# Altium PCB Waffling60-MX.PcbDoc (part 1 of 3)
Units mm, origin at the board's own origin, x right, y up, seen from the top; angles counter-clockwise.
Board outline 324.66 x 94.3 mm, 2 copper layers (Component Side, Bottom Layer), stack 1.571 mm thick; 187 components, 122 nets, 934 pads, 124 vias.
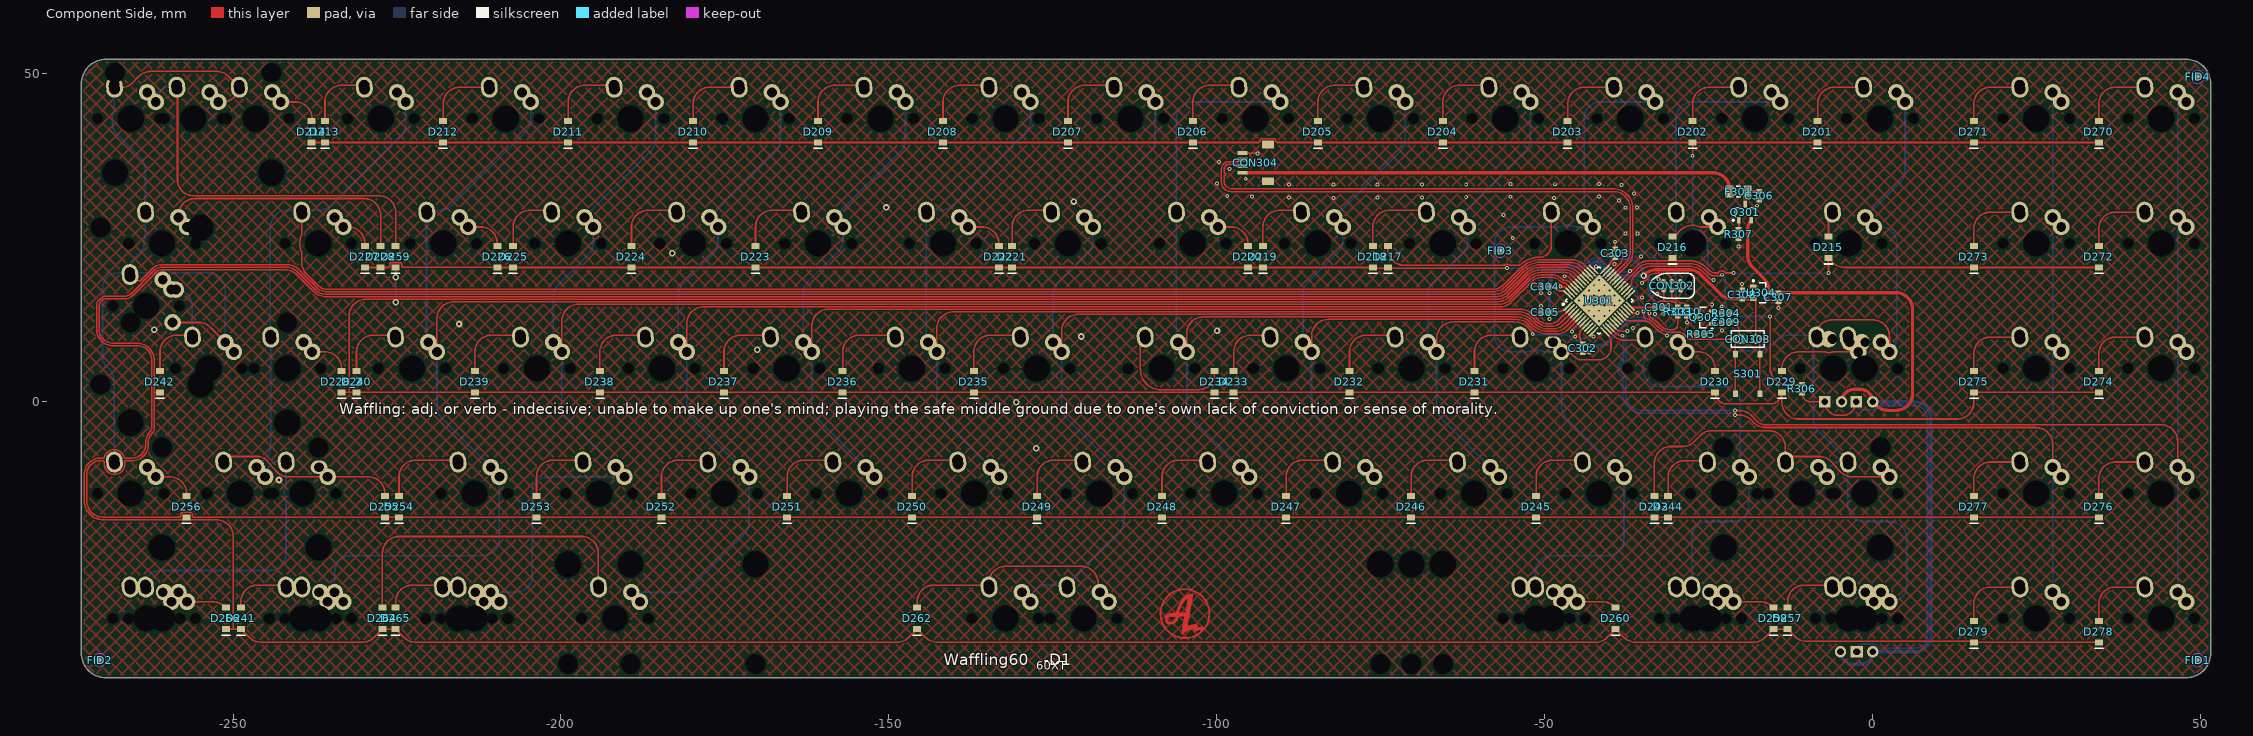
[diagram p0: Component Side view]
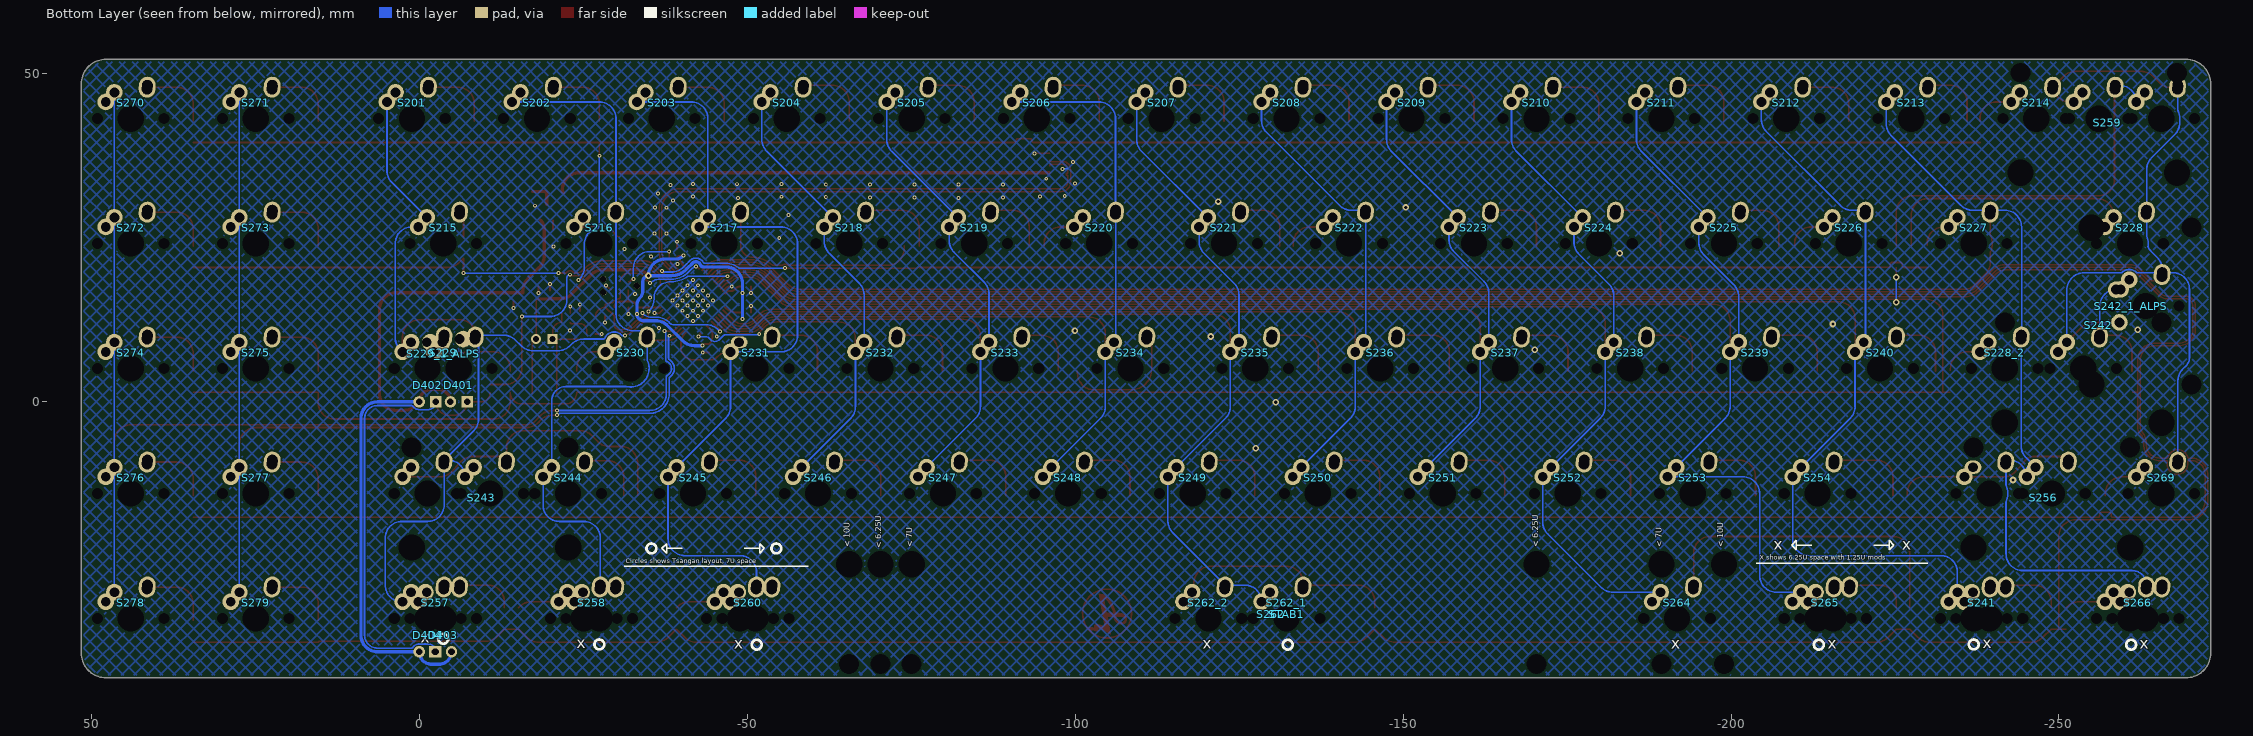
[diagram p1: Bottom Layer view, seen from below]

## Layer stack, top to bottom
Top Solder: solder mask 0.0102, Solder Resist, Dk 3.5
Component Side: signal copper 0.0356
Dielectric 1: core 1.5, FR-4, Dk 4.2
Bottom Layer: signal copper 0.0356
Solder Side: solder mask 0.0102, Solder Resist, Dk 3.5

## Board outline
-273.139,-38.32 ccw(c-269.389,-38.32) -269.389,-42.07 47.774,-42.07 ccw(c47.774,-38.32) 51.524,-38.32 51.524,48.48 ccw(c47.774,48.48) 47.774,52.23 -269.389,52.23 ccw(c-269.389,48.48) -273.139,48.48

## Design rules (kind name [scope] priority, off if disabled: settings)
BoardOutlineClearance [All] p1: gap=0.254 ignorepadtopadclearanceinfootprint=FALSE except(0: Arc-SplitContinuation Track-SplitContinuation SMDPad-SplitContinuation THPad-SplitContinuation Via-SplitContinuation Fill-SplitContinuation Poly-SplitContinuation Region-SplitContinuation Text-SplitContinuation)
Clearance [All] p1: gap=0.254 ignorepadtopadclearanceinfootprint=FALSE except(0: Arc-Hole Track-Hole SMDPad-Hole THPad-Hole Via-Hole Fill-Hole Poly-Hole Region-Hole Text-Hole; 0.18: Arc-Arc Arc-Track Arc-SMDPad Arc-THPad Arc-Via Arc-Fill Arc-Poly Arc-Region Arc-Text Track-Track Track-SMDPad Track-THPad Track-Via Track-Fill Track-Poly Track-Region Track-Text; 0.2: SMDPad-SMDPad SMDPad-THPad SMDPad-Via SMDPad-Fill SMDPad-Poly SMDPad-Region SMDPad-Text)
ComponentClearance [InComponent('No Component') And OnLayer('Component Side')] p1: gap=0.254 collisioncheckmode=3 verticalgap=0.254 showdistances=FALSE
DiffPairsRouting DiffPairsRouting_USB [InDifferentialPairClass('All Differential Pairs')] p1: maxlimit=0.254 minlimit=0.203 mostfreqgap=0.203 toplayer_minwidth=0.152 toplayer_maxwidth=0.381 toplayer_prefwidth=0.152 bottomlayer_minwidth=0.152 bottomlayer_maxwidth=0.381 bottomlayer_prefwidth=0.152 maxuncoupledlength=12.7
DiffPairsRouting [All] p2: maxlimit=0.254 minlimit=0.254 mostfreqgap=0.254 toplayer_minwidth=0.381 toplayer_maxwidth=0.381 toplayer_prefwidth=0.381 bottomlayer_minwidth=0.381 bottomlayer_maxwidth=0.381 bottomlayer_prefwidth=0.381 maxuncoupledlength=12.7
HoleSize [All] p1: absolutevalues=TRUE maxlimit=20 minlimit=0.025 maxpercent=80.000 minpercent=20.000
MatchedLengths MatchedLengths_USB_DiffPairs_1 [All] p1: tolerance=0.127 checknetsindiffpair=TRUE checkdiffpairvsdiffpair=FALSE checkxsignals=FALSE checkothers=FALSE
MatchedLengths MatchedLengths_USB_DiffPairs [All] p2: tolerance=0.127 checknetsindiffpair=TRUE checkdiffpairvsdiffpair=FALSE checkxsignals=FALSE checkothers=FALSE
PolygonConnect PolygonConnect_1 [All vs IsVia] p1: connectstyle=Direct reliefconductorwidth=0.254 reliefentries=4 polygonreliefangle="90 Angle" airgapwidth=0.254
PolygonConnect [All] p2: connectstyle=Relief reliefconductorwidth=0.254 reliefentries=4 polygonreliefangle="90 Angle" airgapwidth=0.254
RoutingVias [All] p1: holewidth=0.711 width=1.27 viastyle="Through Hole" minholewidth=0.711 minwidth=1.27 maxholewidth=0.711 maxwidth=1.27
SolderMaskExpansion [All] p1: expansion=0.102 istentingtop=FALSE
Width [All] p1: maxlimit=0.508 minlimit=0.203 preferedwidth=0.254 minimp=50.000000 maximp=50.000000 favimp=50.000000
27 further rules are at their usual default settings.

## Classes and differential pairs
component class Designator: C301 C302 C303 C304 C305 C306 C307 C308 C309 C310 CON302 CON303 CON304 D401 D402 D403 D404 F301 Q301 Q302 R303 R304 R305 R306 R307 S301 U301 U304
component class 1_waffling60-MX_top: FID1 FID2 FID3 FID4
differential pair D: +D_P -D_N

## Components (designator, comment, footprint, x,y, rotation, side; value= is the part's Value field where it differs from the comment)
C301 "" C0603[1608] -32.538,14.407 r180 top value=0.1uF
C302 "" C0603[1608] -44.222,8.184 r90 top value=0.1uF
C303 "" C0603[1608] -39.269,22.662 r270 top value=0.1uF
C304 "" C0603[1608] -49.937,17.582 r0 top value=0.1uF
C305 "" C0603[1608] -49.937,13.645 r0 top value=0.1uF
C306 "" C0603[1608] -17.298,31.425 r90 top value=4.7uF
C307 "" C0603[1608] -14.377,15.931 r90 top value=1uF
C308 "" C0603[1608] -19.908,16.354 r270 top value=1uF
C309 "" C0603[1608] -22.378,12.121 r180 top value=4.7uF
C310 "" C0603[1608] -28.347,13.772 r270 top value=470nF
CON302 "TC2030-IDC" TC2030-IDC-NL -30.633,17.709 r0 top
CON303 "Header 2" HDR1X2 -20.346,9.581 r0 top
CON304 "Header 5" "JST SM04B-SRSS-TB" -92.222,36.425 r90 top
D201 "Diode" SOD-123 -8.408,41.18 r90 top
D202 "Diode" SOD-123 -27.458,41.18 r90 top
D203 "Diode" SOD-123 -46.508,41.18 r90 top
D204 "Diode" SOD-123 -65.558,41.18 r90 top
D205 "Diode" SOD-123 -84.608,41.18 r90 top
D206 "Diode" SOD-123 -103.658,41.18 r90 top
D207 "Diode" SOD-123 -122.708,41.18 r90 top
D208 "Diode" SOD-123 -141.758,41.18 r90 top
D209 "Diode" SOD-123 -160.808,41.18 r90 top
D210 "Diode" SOD-123 -179.858,41.18 r90 top
D211 "Diode" SOD-123 -198.908,41.18 r90 top
D212 "Diode" SOD-123 -217.958,41.18 r90 top
D213 "Diode" SOD-123 -235.992,41.18 r90 top
D214 "Diode" SOD-123 -238.024,41.18 r90 top
D215 "Diode" SOD-123 -6.757,23.551 r90 top
D216 "Diode" SOD-123 -30.506,23.551 r90 top
D217 "Diode" SOD-123 -73.94,22.13 r90 top
D218 "Diode" SOD-123 -76.226,22.13 r90 top
D219 "Diode" SOD-123 -92.99,22.13 r90 top
D220 "Diode" SOD-123 -95.276,22.13 r90 top
D221 "Diode" SOD-123 -131.217,22.13 r90 top
D222 "Diode" SOD-123 -133.249,22.13 r90 top
D223 "Diode" SOD-123 -170.333,22.13 r90 top
D224 "Diode" SOD-123 -189.256,22.13 r90 top
D225 "Diode" SOD-123 -207.29,22.13 r90 top
D226 "Diode" SOD-123 -209.703,22.13 r90 top
D227 "Diode" SOD-123 -229.896,22.13 r90 top
D228 "Diode" SOD-123 -227.483,22.13 r90 top
D228_2 "Diode" SOD-123 -233.452,3.08 r90 top
D229 "Diode" SOD-123 -13.869,3.08 r90 top
D230 "Diode" SOD-123 -24.029,3.08 r90 top
D231 "Diode" SOD-123 -60.732,3.08 r90 top
D232 "Diode" SOD-123 -79.782,3.08 r90 top
D233 "Diode" SOD-123 -97.435,3.08 r90 top
D234 "Diode" SOD-123 -100.356,3.08 r90 top
D235 "Diode" SOD-123 -137.059,3.08 r90 top
D236 "Diode" SOD-123 -157.059,3.08 r90 top
D237 "Diode" SOD-123 -175.159,3.08 r90 top
D238 "Diode" SOD-123 -194.082,3.08 r90 top
D239 "Diode" SOD-123 -213.132,3.08 r90 top
D240 "Diode" SOD-123 -231.166,3.08 r90 top
D241 "Diode" SOD-123 -248.819,-33.02 r90 top
D242 "Diode" SOD-123 -261.138,3.08 r90 top
D243 "Diode" SOD-123 -33.3,-15.97 r90 top
D244 "Diode" SOD-123 -31.207,-15.97 r90 top
D245 "Diode" SOD-123 -51.334,-15.97 r90 top
D246 "Diode" SOD-123 -70.384,-15.97 r90 top
D247 "Diode" SOD-123 -89.434,-15.97 r90 top
D248 "Diode" SOD-123 -108.357,-15.97 r90 top
D249 "Diode" SOD-123 -127.407,-15.97 r90 top
D250 "Diode" SOD-123 -146.457,-15.97 r90 top
D251 "Diode" SOD-123 -165.507,-15.97 r90 top
D252 "Diode" SOD-123 -184.684,-15.97 r90 top
D253 "Diode" SOD-123 -203.734,-15.97 r90 top
D254 "Diode" SOD-123 -224.689,-15.97 r90 top
D255 "Diode" SOD-123 -226.848,-15.97 r90 top
D256 "Diode" SOD-123 -257.074,-15.97 r90 top
D257 "Diode" SOD-123 -12.98,-33.02 r90 top
D258 "Diode" SOD-123 -15.139,-33.02 r90 top
D259 "Diode" SOD-123 -225.197,22.13 r90 top
D260 "Diode" SOD-123 -39.221,-33.02 r90 top
D262 "Diode" SOD-123 -145.695,-33.02 r90 top
D264 "Diode" SOD-123 -227.229,-33.02 r90 top
D265 "Diode" SOD-123 -225.197,-33.02 r90 top
D266 "Diode" SOD-123 -251.105,-33.02 r90 top
D270 "Diode" SOD-123 34.455,41.18 r90 top
D271 "Diode" SOD-123 15.405,41.18 r90 top
D272 "Diode" SOD-123 34.455,22.13 r90 top
D273 "Diode" SOD-123 15.405,22.13 r90 top
D274 "Diode" SOD-123 34.455,3.08 r90 top
D275 "Diode" SOD-123 15.405,3.08 r90 top
D276 "Diode" SOD-123 34.455,-15.97 r90 top
D277 "Diode" SOD-123 15.405,-15.97 r90 top
D278 "Diode" SOD-123 34.455,-35.02 r90 top
D279 "Diode" SOD-123 15.405,-35.02 r90 top
D401 "CAPS_LED" "SWITCH_LED - 1U"#1 -6.032,5.08 r180 bottom
D402 "CAPS_LED" "SWITCH_LED - 1U"#1 -1.27,5.08 r180 bottom
D403 "CAPS_LED" "SWITCH_LED - 1U"#2 -3.651,-33.02 r0 bottom
D404 "CAPS_LED" "SWITCH_LED - 1U"#1 -1.27,-33.02 r180 bottom
F301 "Fuse Thermal" C1206[3216] -20.473,32.06 r180 top
FID1 "Plug" FIDUCIAL_NORDIC#1 7.34,-39.441 r90 top
FID2 "Plug" FIDUCIAL_NORDIC#2 -270.351,-39.37 r90 top
FID3 "Plug" FIDUCIAL_NORDIC#2 -56.795,23.043 r90 top
FID4 "Plug" FIDUCIAL_NORDIC#2 49.53,49.53 r90 top
Q301 "PMOS-2" SOT-23-3 -19.457,28.885 r90 top
Q302 "2N7002 NMOS" SOT-23-3 -25.68,12.883 r180 top
R303 "Res1" R0603[1608] -29.744,13.772 r270 top value=10K
R304 "Res1" R0603[1608] -22.378,13.518 r180 top value=10K
R305 "Res1" R0603[1608] -26.188,10.343 r180 top value=100K
R306 "Res1" R0603[1608] -10.795,2.006 r270 top value=470
R307 "Res1" R0603[1608] -20.473,25.583 r270 top value=10K
S201 "MX" "MX_ALPS-switch switched pol"#1 1.111,43.18 r180 bottom locked
S202 "MX" "MX_ALPS-switch - duplicate" -17.939,43.18 r180 bottom locked
S203 "MX" "MX_ALPS-switch switched pol"#1 -36.989,43.18 r180 bottom locked
S204 "MX" "MX_ALPS-switch switched pol"#1 -56.039,43.18 r180 bottom locked
S205 "MX" "MX_ALPS-switch switched pol"#1 -75.089,43.18 r180 bottom locked
S206 "MX" "MX_ALPS-switch switched pol"#1 -94.139,43.18 r180 bottom locked
S207 "MX" "MX_ALPS-switch switched pol"#1 -113.189,43.18 r180 bottom locked
S208 "MX" "MX_ALPS-switch switched pol"#1 -132.239,43.18 r180 bottom locked
S209 "MX" "MX_ALPS-switch switched pol"#1 -151.289,43.18 r180 bottom locked
S210 "MX" "MX_ALPS-switch switched pol"#1 -170.339,43.18 r180 bottom locked
S211 "MX" "MX_ALPS-switch switched pol"#1 -189.389,43.18 r180 bottom locked
S212 "MX" "MX_ALPS-switch switched pol"#1 -208.439,43.18 r180 bottom locked
S213 "MX" "MX_ALPS-switch switched pol"#1 -227.489,43.18 r180 bottom locked
S214 "MX" "MX_ALPS-switch - duplicate" -246.539,43.18 r180 bottom locked
S215 "MX" "MX_ALPS-switch switched pol"#1 -3.651,24.13 r180 bottom locked
S216 "MX" "MX_ALPS-switch - duplicate" -27.464,24.13 r180 bottom locked
S217 "MX" "MX_ALPS-switch switched pol"#1 -46.514,24.13 r180 bottom locked
S218 "MX" "MX_ALPS-switch switched pol"#1 -65.564,24.13 r180 bottom locked
S219 "MX" "MX_ALPS-switch switched pol"#1 -84.614,24.13 r180 bottom locked
S220 "MX" "MX_ALPS-switch - duplicate" -103.664,24.13 r180 bottom locked
S221 "MX" "MX_ALPS-switch switched pol"#1 -122.714,24.13 r180 bottom locked
S222 "MX" "MX_ALPS-switch - duplicate" -141.764,24.13 r180 bottom locked
S223 "MX" "MX_ALPS-switch switched pol"#1 -160.814,24.13 r180 bottom locked
S224 "MX" "MX_ALPS-switch switched pol"#1 -179.864,24.13 r180 bottom locked
S225 "MX" "MX_ALPS-switch switched pol"#1 -198.914,24.13 r180 bottom locked
S226 "MX" "MX_ALPS-switch - duplicate" -217.964,24.13 r180 bottom locked
S227 "MX" "MX_ALPS-switch - duplicate" -237.014,24.13 r180 bottom locked
S228 "MX" "mx_alps - 1.5U" -260.826,24.13 r180 bottom locked
S228_2 "MX" "MX_ALPS-switch - duplicate" -241.751,5.08 r180 bottom locked
S229 "MX" "mx_alps - CAPS" -6.033,5.08 r180 bottom locked
S229_1_ALPS "ALPS" "ALPS-switch - 1.5U"#1 -3.651,5.08 r180 bottom
S230 "MX" "MX_ALPS-switch - duplicate" -32.226,5.08 r180 bottom locked
S231 "MX" "MX_ALPS-switch switched pol"#2 -51.276,5.08 r180 bottom locked
S232 "MX" "MX_ALPS-switch switched pol"#1 -70.326,5.08 r180 bottom locked
S233 "MX" "MX_ALPS-switch switched pol"#1 -89.376,5.08 r180 bottom locked
S234 "MX" "MX_ALPS-switch switched pol"#1 -108.426,5.08 r180 bottom locked
S235 "MX" "MX_ALPS-switch switched pol"#1 -127.476,5.08 r180 bottom locked
S236 "MX" "MX_ALPS-switch switched pol"#1 -146.526,5.08 r180 bottom locked
S237 "MX" "MX_ALPS-switch switched pol"#1 -165.576,5.08 r180 bottom locked
S238 "MX" "MX_ALPS-switch switched pol"#1 -184.626,5.08 r180 bottom locked
S239 "MX" "MX_ALPS-switch switched pol"#1 -203.676,5.08 r180 bottom locked
S240 "MX" "MX_ALPS-switch switched pol"#1 -222.726,5.08 r180 bottom locked
S241 "MX" "mx_alps - 1u MOD-R" -237.013,-33.02 r180 bottom locked
S242 "MX" "mx_alps - Enter - Rotated Stab" -253.689,5.08 r180 bottom locked
S242_1_ALPS "ALPS" "ALPS-switch - 1.5U"#2 -263.219,14.61 r90 bottom
S243 "MX" "mx_alps - Left shift" -10.795,-13.97 r180 bottom locked
S244 "MX" MX_ALPS-switch -22.701,-13.97 r180 bottom locked
S245 "MX" "MX_ALPS-switch switched pol"#1 -41.751,-13.97 r180 bottom locked
S246 "MX" "MX_ALPS-switch switched pol"#1 -60.801,-13.97 r180 bottom locked
S247 "MX" "MX_ALPS-switch switched pol"#1 -79.851,-13.97 r180 bottom locked
S248 "MX" "MX_ALPS-switch switched pol"#1 -98.901,-13.97 r180 bottom locked
S249 "MX" "MX_ALPS-switch switched pol"#1 -117.951,-13.97 r180 bottom locked
S250 "MX" "MX_ALPS-switch switched pol"#1 -137.001,-13.97 r180 bottom locked
S251 "MX" "MX_ALPS-switch switched pol"#1 -156.051,-13.97 r180 bottom locked
S252 "MX" "MX_ALPS-switch switched pol"#1 -175.101,-13.97 r180 bottom locked
S253 "MX" "MX_ALPS-switch switched pol"#1 -194.151,-13.97 r180 bottom locked
S254 "MX" "MX_ALPS-switch switched pol"#1 -213.201,-13.97 r180 bottom locked
S256 "MX" "mx_alps- right shift" -248.919,-13.97 r180 bottom locked
S257 "MX" "mx_alps- 1.5u MOD-L" -3.651,-33.02 r180 bottom locked
S258 "MX" "mx_alps - 1u MOD-L" -27.463,-33.02 r180 bottom locked
S259 "MX" "mx_alps - backspace" -256.064,43.18 r180 bottom locked
S260 "MX" "mx_alps- 1.5u MOD-L" -51.276,-33.02 r180 bottom locked
S262 "MX" "MX-switch - Space_7U+6.27U" -132.238,-33.02 r180 bottom
S262_1 "MX" MX_ALPS-switch -132.238,-33.02 r180 bottom locked
S262_2 "MX" MX_ALPS-switch -120.332,-33.02 r180 bottom locked
S264 "MX" "MX_ALPS-switch switched pol"#1 -191.77,-33.02 r180 bottom locked
S265 "MX" "mx_alps - 1.5u MOD-R" -213.201,-33.02 r180 bottom locked
S266 "MX" "mx_alps - 1.5u MOD-R" -260.826,-33.02 r180 bottom locked
S269 "MX" "MX_ALPS-switch - duplicate" -265.589,-13.97 r180 bottom locked
S270 "MX" "MX_ALPS-switch switched pol"#1 43.974,43.18 r180 bottom
S271 "MX" "MX_ALPS-switch switched pol"#1 24.924,43.18 r180 bottom
S272 "MX" "MX_ALPS-switch switched pol"#1 43.974,24.13 r180 bottom
S273 "MX" "MX_ALPS-switch switched pol"#1 24.924,24.13 r180 bottom
S274 "MX" "MX_ALPS-switch switched pol"#1 43.974,5.08 r180 bottom
S275 "MX" "MX_ALPS-switch switched pol"#1 24.924,5.08 r180 bottom
S276 "MX" "MX_ALPS-switch switched pol"#1 43.974,-13.97 r180 bottom
S277 "MX" "MX_ALPS-switch switched pol"#1 24.924,-13.97 r180 bottom
S278 "MX" "MX_ALPS-switch switched pol"#1 43.974,-33.02 r180 bottom
S279 "MX" "MX_ALPS-switch switched pol"#1 24.924,-33.02 r180 bottom
S301 "SW-PB" "XKB SWITCH" -19.076,4.247 r270 top
STAB1 "Plug" "STAB 10U" -132.238,-33.02 r0 bottom locked
U301 "STM32F072/F303_LQFP48" "STM32 - COMBO 7X7MM" -41.709,15.444 r45 top
U304 "XC6206P332MR" SOT-23-3 -17.002,16.636 r0 top

## Footprints (in the part's own frame and the unit in brackets; to place one, negate y for a bottom-side part, rotate by r counter-clockwise, add the part's x,y. Pads: shape width x height; smd on the part's side, far side on the other; paste and mask are expansions set on the pad)
"ALPS-switch - 1.5U"#1 [mm]
  round 2.54 hole 1.5 copper offset 0.54,0 mask+0.102: 1(-2.5,4) 2(2.5,4.5)
  round 1 on Mech14: ""(0,0)
"ALPS-switch - 1.5U"#2 [mm]
  round 2.54 hole 1.5 mask+0.102: 1(-2.5,4) 2(2.5,4.5)
  round 1 on Mech14: ""(0,0)
C0603[1608] [mm] "Chip Resistor, 2-Leads, Body 1,57x0,80mm, IPC Medium Density"
  rect 0.8x0.85 smd: 1(-0.65,0) 2(0.65,0)
  body extent -0.83,-0.43 0.82,0.43, height 0.5
C1206[3216] [mm]
  rect 1.2x1.8 smd: 1(-1.35,0) 2(1.35,0)
  silkscreen extent -0.35,-0.8 0.35,0.8, body extent -1.6,-0.9 1.6,0.9, height 1.2
FIDUCIAL_NORDIC#1 [mm]
  round 1 smd paste+0 mask+0.5: 0(0.071,-42.19)
  Component Side keep-out circle w0.01: c0.071,-42.19 r1
FIDUCIAL_NORDIC#2 [mm]
  round 1 smd paste+0 mask+0.5: 0(0,0)
  Component Side keep-out circle w0.01: c0,0 r1
HDR1X2 [mm] "Connector; Header; 2 Position"
  rect 1.5x1.5 hole 0.9 mask+0.102: 1(0,0)
  round 1.5 hole 0.9 mask+0.102: 2(2.54,0)
  silkscreen extent -1.27,-1.27 3.81,1.27
"JST SM04B-SRSS-TB" [mm]
  rect 0.6x1.55 smd: 1(-1.5,3.875) 2(-0.5,3.875) 3(0.5,3.875) 4(1.5,3.875)
  rect 1.2x1.8 smd: 5(-2.8,0) 5(2.8,0)
  body extent -3.01,-0.76 2.99,4.19, height 2.96
"MX-switch - Space_7U+6.27U" [mm]
  round 2.54 hole 1.5 mask+0.102: 1(-9.366,5.08) 1(-3.81,2.54) 2(-15.716,2.54) 2(2.54,5.08)
  round 1.524 hole 3.048 unplated: ""(-61.91,-6.985) ""(-57.15,-6.985) ""(38.09,-6.985) ""(57.15,-6.985)
  round 1.524 hole 4 unplated: ""(-61.91,8.255) ""(-57.15,8.255) ""(38.09,8.255) ""(57.15,8.255)
  round 1 hole 1.7 unplated: ""(-16.986,0) ""(-6.826,0) ""(-5.08,0) ""(5.08,0)
  round 1 hole 4 unplated: ""(-11.906,0) ""(0,0)
  round 1 on Mech14: ""(-11.906,0) ""(0,0)
"mx_alps - 1.5U" [mm]
  round 2.54 hole 1.5 mask+0.102: 1(-3.81,2.54) 1(-2.5,4)
  oval 3.2x2.54 hole 1.6 slot 2.2 at 85 deg rot 85 mask+0.102: 2(2.5,4.79)
  round 1 hole 1.7 unplated: ""(-5.08,0) ""(5.08,0)
  round 1 hole 4 unplated: ""(0,0)
  round 1 on Mech14: ""(0,0)
"mx_alps - 1.5u MOD-R" [mm]
  round 2.54 hole 1.5 mask+0.102: 1(-3.81,2.54) 1(-2.5,4) 1(-1.429,2.54)
  round 2.54 hole 1.5 copper offset -0.2,0 mask+0.102: 1(-0.119,4)
  oval 3.2x2.54 hole 1.6 slot 2.2 at 85 deg rot 85 mask+0.102: 2(2.5,4.79) 2(4.881,4.79)
  round 1 hole 1.7 unplated: ""(-5.08,0) ""(-2.699,0) ""(5.08,0) ""(7.461,0)
  round 1 on Mech14: ""(-2.381,0) ""(0,0) ""(2.381,0) ""(4.762,0)
  round 1 hole 4 unplated: ""(0,0) ""(0,0) ""(2.381,0) ""(2.381,0)
"mx_alps - 1u MOD-L" [mm]
  round 2.54 hole 1.5 mask+0.102: 1(-6.191,2.54) 1(-4.881,4) 1(-3.81,2.54)
  round 2.54 hole 1.5 copper offset -0.2,0 mask+0.102: 1(-2.5,4)
  oval 3.2x2.54 hole 1.6 slot 2.2 at 85 deg rot 85 mask+0.102: 2(0.119,4.79) 2(2.5,4.79)
  round 1 hole 1.7 unplated: ""(-7.461,0) ""(-5.08,0) ""(2.699,0) ""(5.08,0)
  round 1 hole 4 unplated: ""(-2.381,0) ""(0,0)
  round 1 on Mech14: ""(-2.381,0) ""(0,0) ""(2.381,0)
"mx_alps - 1u MOD-R" [mm]
  round 2.54 hole 1.5 mask+0.102: 1(-3.81,2.54) 1(-2.5,4) 1(-1.429,2.54)
  round 2.54 hole 1.5 copper offset -0.2,0 mask+0.102: 1(-0.119,4)
  oval 3.2x2.54 hole 1.6 slot 2.2 at 85 deg rot 85 mask+0.102: 2(2.5,4.79) 2(4.881,4.79)
  round 1 hole 1.7 unplated: ""(-5.08,0) ""(-2.699,0) ""(5.08,0) ""(7.461,0)
  round 1 on Mech14: ""(-4.763,0) ""(-2.381,0) ""(0,0) ""(2.381,0)
  round 1 hole 4 unplated: ""(0,0) ""(2.381,0)
"mx_alps - backspace" [mm]
  oval 3.2x2.54 hole 1.6 slot 2.2 at 85 deg rot 85 mask+0.102: 1(2.5,4.79) 2(12.025,4.79)
  round 2.54 hole 1.5 mask+0.102: 1(5.715,2.54) 1(7.025,4) 2(-3.81,2.54) 2(-2.5,4)
  round 1.524 hole 4 unplated: ""(-11.938,-8.255) ""(11.938,-8.255)
  round 1.524 hole 3 unplated: ""(-11.938,6.985) ""(11.938,6.985)
  round 1 hole 1.7 unplated: ""(-5.08,0) ""(4.445,0) ""(5.08,0) ""(14.605,0)
  round 1 hole 4 unplated: ""(0,0) ""(9.525,0)
  round 1 on Mech14: ""(0,0) ""(9.525,0)
"mx_alps - CAPS" [mm]
  round 2.54 hole 1.5 mask+0.102: 1(-8.573,2.54) 1(-7.262,4) 2(-3.81,2.54) 2(-2.5,4)
  oval 3.2x2.54 hole 1.6 slot 2.2 at 85 deg rot 85 mask+0.102: 1(2.5,4.79) 2(-2.262,4.79)
  round 1 hole 1.7 unplated: ""(-9.843,0) ""(5.08,0)
  round 1 hole 4 unplated: ""(-4.763,0) ""(0,0)
  round 1 on Mech14: ""(-4.763,0) ""(0,0)
"mx_alps - Enter - Rotated Stab" [mm]
  oval 3.2x2.54 hole 1.6 slot 2.2 at 85 deg rot 85 mask+0.102: 1(2.5,4.79) 2(12.03,14.32)
  round 2.54 hole 1.5 mask+0.102: 1(5.72,12.07) 1(7.03,13.53) 2(-3.81,2.54) 2(-2.5,4)
  round 1.524 hole 4 unplated: ""(-11.938,-8.255) ""(1.275,-2.408) ""(1.275,21.468) ""(11.938,-8.255)
  round 1.524 hole 3.048 unplated: ""(-11.938,6.985) ""(11.938,6.985) ""(16.515,-2.408) ""(16.515,21.468)
  round 1 hole 1.7 unplated: ""(-5.08,0) ""(4.45,9.53) ""(5.08,0) ""(14.61,9.53)
  round 1 hole 4 unplated: ""(0,0) ""(9.53,9.53)
  round 1 on Mech14: ""(0,0) ""(9.53,9.53)
"mx_alps - Left shift" [mm]
  round 2.54 hole 1.5 mask+0.102: 1(-13.335,2.54) 1(-12.025,4) 2(-3.81,2.54) 2(-2.5,4)
  oval 3.2x2.54 hole 1.6 slot 2.2 at 85 deg rot 85 mask+0.102: 1(2.5,4.79) 2(-7.025,4.79)
  round 1 hole 1.7 unplated: ""(-14.605,0) ""(-5.08,0) ""(-4.445,0) ""(5.08,0)
  round 1.524 hole 4 unplated: ""(-11.938,-8.255) ""(11.938,-8.255)
  round 1.524 hole 3.048 unplated: ""(-11.938,6.985) ""(11.938,6.985)
  round 1 hole 4 unplated: ""(-9.525,0) ""(0,0)
  round 1 on Mech14: ""(-9.525,0) ""(0,0)
"mx_alps- 1.5u MOD-L" [mm]
  round 2.54 hole 1.5 mask+0.102: 1(-6.191,2.54) 1(-4.881,4) 1(-3.81,2.54)
  round 2.54 hole 1.5 copper offset -0.2,0 mask+0.102: 1(-2.5,4)
  oval 3.2x2.54 hole 1.6 slot 2.2 at 85 deg rot 85 mask+0.102: 2(0.119,4.79) 2(2.5,4.79)
  round 1 hole 1.7 unplated: ""(-7.461,0) ""(-5.08,0) ""(2.699,0) ""(5.08,0)
  round 1 on Mech14: ""(-4.763,0) ""(-2.381,0) ""(0,0) ""(4.762,0)
  round 1 hole 4 unplated: ""(-2.381,0) ""(0,0)
"mx_alps- right shift" [mm]
  round 2.54 hole 1.5 mask+0.102: 1(-13.335,2.54) 2(-3.81,2.54) 2(-2.5,4)
  oval 2.54x2 hole 1.5 mask+0.102: 1(-12.025,4)
  oval 3.2x2.54 hole 1.6 slot 2.2 at 85 deg rot 85 mask+0.102: 1(2.5,4.79) 2(-7.025,4.79)
  round 1 hole 1.7 unplated: ""(-14.605,0) ""(-5.08,0) ""(-4.445,0) ""(5.08,0)
  round 1.524 hole 4 unplated: ""(-11.938,-8.255) ""(11.938,-8.255)
  round 1.524 hole 3.048 unplated: ""(-11.938,6.985) ""(11.938,6.985)
  round 1 hole 4 unplated: ""(-9.525,0) ""(0,0)
  round 1 on Mech14: ""(-9.525,0) ""(0,0)
MX_ALPS-switch [mm]
  round 2.54 hole 1.5 mask+0.102: 1(-3.81,2.54) 1(-2.5,4)
  oval 3.2x2.54 hole 1.6 slot 2.2 at 85 deg rot 85 mask+0.102: 2(2.5,4.79)
  round 1 hole 1.7 unplated: ""(-5.08,0) ""(5.08,0)
  round 1 hole 4 unplated: ""(0,0)
"MX_ALPS-switch - duplicate" [mm]
  round 2.54 hole 1.5 mask+0.102: 1(-3.81,2.54) 1(-2.5,4)
  oval 3.2x2.54 hole 1.6 slot 2.2 at 85 deg rot 85 mask+0.102: 2(2.5,4.79)
  round 1 hole 1.7 unplated: ""(-5.08,0) ""(5.08,0)
  round 1 hole 4 unplated: ""(0,0)
"MX_ALPS-switch switched pol"#1 [mm]
  oval 3.2x2.54 hole 1.6 slot 2.2 at 85 deg rot 85 mask+0.102: 1(2.5,4.79)
  round 2.54 hole 1.5 mask+0.102: 2(-3.81,2.54) 2(-2.5,4)
  round 1 hole 1.7 unplated: ""(-5.08,0) ""(5.08,0)
  round 1 hole 4 unplated: ""(0,0)
"MX_ALPS-switch switched pol"#2 [mm]
  oval 3.2x2.54 hole 1.6 slot 2.2 at 85 deg rot 85 mask+0.102: 1(2.5,4.79)
  round 2.54 hole 1.5 mask+0.102: 2(-3.81,2.54)
  oval 2.54x1.75 hole 1.5 mask+0.102: 2(-2.5,4)
  round 1 hole 1.7 unplated: ""(-5.08,0) ""(5.08,0)
  round 1 hole 4 unplated: ""(0,0)
R0603[1608] [mm] "Chip Resistor, 2-Leads, Body 1,57x0,80mm, IPC Medium Density"
  rect 0.8x0.85 smd: 1(-0.65,0) 2(0.65,0)
  body extent -0.83,-0.43 0.82,0.43, height 0.5
SOD-123 [mm]
  rect 0.91x1.22 smd: 1(1.635,0) 2(-1.635,0)
  silkscreen extent -2.54,-0.64 -2.54,0.63, body extent -1.87,-0.85 1.88,0.85, height 1.2
SOT-23-3 [mm] "3.3v regulator, used in Windsond S2 proto 1"
  rect 1x0.55 smd: 1(-1.2,0.95) 2(-1.2,-0.95) 3(1.2,0)
  silkscreen extent -1.32,-1.55 0.7,1.95, body extent -1.45,-1.5 1.1,1.5, height 1
"STAB 10U" [mil]
  round 60 hole 157.01 unplated: ""(-2625,-325) ""(2625,-325)
  round 60 hole 120 unplated: ""(-2625,275) ""(2625,275)
  round 39.37 on Mech14: ""(0,0)
"STM32 - COMBO 7X7MM" [mm] "LQFP48, 7x7mm"
  oval 1.45x0.3 smd paste-5: 1(-4.225,2.75) 2(-4.225,2.25) 3(-4.225,1.75) 4(-4.225,1.25) 5(-4.225,0.75) 6(-4.225,0.25) 7(-4.225,-0.25) 8(-4.225,-0.75) 9(-4.225,-1.25) 10(-4.225,-1.75) 11(-4.225,-2.25) 12(-4.225,-2.75) 25(4.225,-2.75) 26(4.225,-2.25) 27(4.225,-1.75) 28(4.225,-1.25) 29(4.225,-0.75) 30(4.225,-0.25) 31(4.225,0.25) 32(4.225,0.75) 33(4.225,1.25) 34(4.225,1.75) 35(4.225,2.25) 36(4.225,2.75)
  oval 0.8x0.25 smd: 1(-3.4,2.75) 2(-3.4,2.25) 3(-3.4,1.75) 4(-3.4,1.25) 5(-3.4,0.75) 6(-3.4,0.25) 7(-3.4,-0.25) 8(-3.4,-0.75) 9(-3.4,-1.25) 10(-3.4,-1.75) 11(-3.4,-2.25) 12(-3.4,-2.75) 25(3.4,-2.75) 26(3.4,-2.25) 27(3.4,-1.75) 28(3.4,-1.25) 29(3.4,-0.75) 30(3.4,-0.25) 31(3.4,0.25) 32(3.4,0.75) 33(3.4,1.25) 34(3.4,1.75) 35(3.4,2.25) 36(3.4,2.75)
  oval 0.25x0.8 smd: 13(-2.75,-3.4) 14(-2.25,-3.4) 15(-1.75,-3.4) 16(-1.25,-3.4) 17(-0.75,-3.4) 18(-0.25,-3.4) 19(0.25,-3.4) 20(0.75,-3.4) 21(1.25,-3.4) 22(1.75,-3.4) 23(2.25,-3.4) 24(2.75,-3.4) 37(2.75,3.4) 38(2.25,3.4) 39(1.75,3.4) 40(1.25,3.4) 41(0.75,3.4) 42(0.25,3.4) 43(-0.25,3.4) 44(-0.75,3.4) 45(-1.25,3.4) 46(-1.75,3.4) 47(-2.25,3.4) 48(-2.75,3.4)
  oval 0.3x1.45 smd paste-5: 13(-2.75,-4.225) 14(-2.25,-4.225) 15(-1.75,-4.225) 16(-1.25,-4.225) 17(-0.75,-4.225) 18(-0.25,-4.225) 19(0.25,-4.225) 20(0.75,-4.225) 21(1.25,-4.225) 22(1.75,-4.225) 23(2.25,-4.225) 24(2.75,-4.225) 37(2.75,4.225) 38(2.25,4.225) 39(1.75,4.225) 40(1.25,4.225) 41(0.75,4.225) 42(0.25,4.225) 43(-0.25,4.225) 44(-0.75,4.225) 45(-1.25,4.225) 46(-1.75,4.225) 47(-2.25,4.225) 48(-2.75,4.225)
  rect 5.6x5.6 smd: 47(0,0)
  silkscreen extent -4.43,-3.65 3.65,3.65, body extent -3.52,-3.52 3.52,3.52, height 0.5
"SWITCH_LED - 1U"#1 [mm]
  round 1.75 hole 1 mask+0.102: 1(-1.27,-5.08)
  rect 1.75x1.75 hole 1 mask+0.102: 2(1.27,-5.08)
  round 1 on Mech14: ""(0,0)
"SWITCH_LED - 1U"#2 [mm]
  round 1.75 hole 1 mask+0.102: 1(-1.27,5.08)
  rect 1.75x1.75 hole 1 mask+0.102: 2(1.27,5.08)
  round 1 on Mech14: ""(0,0)
TC2030-IDC-NL [mm] "Tag-Connect 6-Pin with No Legs (PN# TC2030-IDC-NL)"
  round 0.9 hole 0.995 unplated: 0(-2.54,0) 0(2.54,-1.016) 0(2.54,1.016)
  round 0.79 smd paste-0.39: 1(-1.27,-0.635) 2(-1.27,0.635) 3(0,-0.635) 4(0,0.635) 5(1.35,-0.635) 6(1.27,0.635)
  silkscreen extent -3.43,-1.91 3.43,1.9
"XKB SWITCH" [mm] "XKB Enterprise TS-1187A-C-D-B"
  rect 1x0.75 smd: 1(-3,1.875) 1(3,1.875) 2(-3,-1.875) 2(3,-1.875)
  body extent -3.25,-2.55 3.25,2.55, height 2

## Part data
C301 C302 C303 C304 C305: library part Cap, "Capacitor", LCSC MFG=YAGEO, LCSC Part #=C14663, MRF.Part=CC0603KRX7R9BB104, Version="0603 imperial"
C306 C309: library part Cap, "Capacitor", LCSC MFG="Samsung Electro-Mechanics", LCSC Part #=C19666, MRF.Part=CL10A475KO8NNNC, Version="0603 imperial"
C307 C308: library part Cap, "Capacitor", LCSC MFG="Samsung Electro-Mechanics", LCSC Part #=C15849, MRF.Part=CL10A105KB8NNNC, Version="0603 imperial"
C310: library part Cap, "Capacitor", LCSC MFG="Samsung Electro-Mechanics", LCSC Part #=C1623, MRF.Part=CL10B474KA8NNNC, Version="0603 imperial"
CON302: library part "Header 3X2", "Header, 3-Pin, Dual row"
CON303: "Header, 2-Pin"
CON304: "JST for USB daughter board", LCSC MFG="JST Sales America", LCSC Part #=C160404, MRF.Part=SM04B-SRSS-TB(LF)(SN)
D201 D202 D203 D204 D205 D206 D207 D208 D209 D210 D211 D212 D213 D214 D215 D216 D217 D218 D219 D220 D221 D222 D223 D224 D225 D226 D227 D228 D228_2 D229 D230 D231 D232 D233 D234 D235 D236 D237 D238 D239 D240 D241 D242 D243 D244 D245 D246 D247 D248 D249 D250 D251 D252 D253 D254 D255 D256 D257 D258 D259 D260 D262 D264 D265 D266 D270 D271 D272 D273 D274 D275 D276 D277 D278 D279: "Default Diode", LCSC MFG=ST(Semtech), LCSC Part #=C81598, MRF.Part=1N4148W, Version=SOD-123
D401 D402 D403 D404: library part LED, AF=1, BV=0, BV_MAX=1e99, CJO=0, CJP=0, CTA=0, CTP=0, EG=1.11, FC=0.5, FCS=0.5, FV_MAX=1e99, IBV=0.001, IKF=0, IKR=0, IS=1e-14, ISR=1e-14, JSW=0, JTUN=0, JTUNSW=0, KEG=1, KF=0, LEVEL=1, MJSW=0.33, N=1, NBV=1, NR=1, NS=1, NTUN=30, PHP=1, RS=0, SimulationGenericComponent=True, TCV=0, TLEV=0, TLEVC=0, TM1=0, TM2=0, TNOM=27, TPB=0, TPHP=0, TRS=0, TRS2=0, TT=0, TTT1=0, TTT2=0, VJ=1, XTI=3, XTITUN=3
F301: "Thermal Fuse", LCSC MFG="Shenzhen JDT Fuse", LCSC Part #=C135338, MRF.Part=ASMD1206-050
Q301: "P-Channel Power MOSFET", LCSC MFG="Vishay Intertech", LCSC Part #=C10487, MRF.Part=SI2301CDS-T1-GE3, Version=SOT23-3
Q302: library part MOSFET-N, "N-Channel MOSFET", LCSC MFG="Changjiang Electronics Tech (CJ)", LCSC Part #=C8545, MRF.Part=2N7002
R303 R304 R306 R307: "Resistor", LCSC MFG="Uniroyal Elec", LCSC Part #=C25804, MRF.Part=0603WAF1002T5E, Version="0603 imperial"
R305: "Resistor", LCSC MFG="Uniroyal Elec", LCSC Part #=C25803, MRF.Part=0603WAF1003T5E, Version="0603 imperial"
S201 S202 S203 S204 S205 S206 S207 S208 S209 S210 S211 S212 S213 S214 S216 S217 S218 S219 S220 S221 S222 S223 S224 S225 S226 S227 S228 S228_2 S229 S229_1_ALPS S230 S231 S232 S233 S234 S235 S236 S237 S238 S239 S240 S241 S242 S242_1_ALPS S243 S244 S245 S246 S247 S248 S249 S250 S251 S252 S253 S254 S256 S257 S258 S259 S260 S262 S262_1 S262_2 S264 S265 S266 S269 S270 S271 S272 S273 S274 S275 S276 S277 S278 S279: library part SW-PB, "Switch"
S215: library part SW-PB, "TAB"
S301: "Switch", LCSC MFG="XKB Enterprise", LCSC Part #=C318888, MRF.Part=TS-1187A-C-D-B
U301: LCSC MFG=Geehy, LCSC Part #=C915660, MRF.Part=APM32F072CBT6
U304: library part "SOT23 LDO", LCSC MFG="Torex Semicon", LCSC Part #=C5446, MRF.Part=XC6206P332MR

## Via types
v1: diameter 0.6, hole 0.3, Component Side to Bottom Layer, tented both sides, 85 vias
v2: diameter 0.6, hole 0.3, Component Side to Bottom Layer, tented bottom, 25 vias
v3: diameter 1, hole 0.5, Component Side to Bottom Layer, tented both sides, 14 vias

## Nets (pads, with @x,y where several pads share a name; then routed paths per layer and width w, separated by ;. In a path a pad name is that pad's centre, name@x,y a point inside that pad or via, vN(x,y) a via of type N, cw(c..) or ccw(c..) an arc to the next point about the centre after c; other vN are vias at no path point)
BOOT0: C309.1 CON303.1 R304.1 S301.2 U301.44 | length 58.9
  Component Side w0.203: v1(-47.016,19.148) cw(c-47.016,17.84) -46.577,19.072 ; U301.44@-45.227,17.901 -46.091,18.765 ; v1(-34.951,13.772) -34.951,12.95 ccw(c-34.748,12.951) -34.781,12.75 ; -29.744,10.632 -30.877,10.632 ; -29.726,10.632 cw(c-29.726,9.08) -28.725,10.266 cw(c-29.726,9.08) -28.305,9.702 ccw(c-28.119,9.784) -28.12,9.581 CON303.1@-20.346,9.581 ; R304.1@-21.728,13.518 C309.1@-21.728,12.121 ; S301.2@-20.951,1.247 S301.2@-20.951,7.247 -20.951,8.976 cw(c-20.346,8.976) -20.717,9.454 -20.473,9.454 CON303.1@-20.346,9.581 ; -46.577,19.072 cw(c-47.016,17.84) -46.091,18.765 ; -46.577,19.072 cw(c-47.016,17.84) -46.091,18.765 ; -34.781,12.75 cw(c-35.205,10.071) -34.594,12.714 ; -34.781,12.75 cw(c-35.205,10.071) -34.594,12.714 ; -34.594,12.714 cw(c-35.205,10.071) -33.289,11.991 cw(c-35.205,10.071) -33.287,11.989 -32.673,11.376 ; -32.673,11.376 ccw(c-30.877,13.172) -30.877,10.632 ; -32.673,11.376 ccw(c-30.877,13.172) -30.877,10.632 ; C309.1@-21.728,12.121 cw(c-21.728,10.739) -20.346,10.739 ; C309.1@-21.728,12.121 cw(c-21.728,10.739) -20.346,10.739 ; CON303.1@-20.346,9.581 -20.346,10.739
  Bottom Layer w0.203: v1(-47.016,19.148) -41.004,19.148 cw(c-41.004,18.885) -40.924,19.136 ; v1(-34.951,13.772) -35.053,13.874 cw(c-33.257,15.671) -35.797,15.671 -35.797,15.778 ; -40.924,19.136 cw(c-40.986,18.942) -40.866,19.106 ; -40.924,19.136 cw(c-40.986,18.942) -40.866,19.106 ; -40.866,19.106 ccw(c-38.478,22.33) -38.478,18.318 ; -40.866,19.106 ccw(c-38.478,22.33) -38.478,18.318 ; -38.478,18.318 -38.337,18.318 ; -38.337,18.318 cw(c-38.337,15.778) -35.797,15.778 ; -38.337,18.318 cw(c-38.337,15.778) -35.797,15.778
col1: S201.2 S215.2 S229.1 S229_1_ALPS.2 S243.2 S257.1 U301.20 | length 177.1
  Component Side w0.254: U301.20@-38.191,12.987 -37.821,12.617 ccw(c-37.237,13.202) -37.73,12.538 ccw(c-37.237,13.202) -37.237,12.375 -35.205,12.375 ; v1(-31.395,10.089) -32.303,10.591 cw(c-30.877,13.172) -32.71,10.862 -32.843,10.967 -33.576,11.7 ; S229.1@2.54,7.62 2.54,9.962 ; -35.205,12.375 cw(c-35.205,10.071) -33.576,11.7 ; -35.205,12.375 cw(c-35.205,10.071) -33.576,11.7 ; -6.231,12.502 ccw(c-6.231,10.16) -8.573,10.16 cw(c-6.231,10.16) -6.231,12.502 ; -6.231,12.502 0,12.502 ; 0,12.502 cw(c0,9.962) 2.54,9.962 ; 0,12.502 cw(c0,9.962) 2.54,9.962
  Bottom Layer w0.254: v1(-31.395,10.089) -30.944,10.089 ccw(c-31.102,10.288) -30.912,10.12 ; -30.944,10.089 ccw(c-31.102,10.288) -30.912,10.12 ; S243.2@-6.985,-11.43 cw(c-4.445,-11.43) -4.445,-8.89 S243.2@-3.81,-8.89 ; S215.2@-1.151,28.13 4.177,33.459 ; S215.2@0.159,26.67 1.117,26.67 cw(c1.117,24.13) 3.657,24.13 3.657,9.789 ; S257.1@2.54,-30.48 S257.1@2.641,-30.48 ; S229.1@2.54,7.62 S229.1@2.913,7.993 ; S201.2@4.921,45.72 4.921,35.255 ; -30.912,10.12 cw(c-29.726,9.08) -30.78,10.253 cw(c-29.726,9.08) -30.128,10.605 cw(c-29.726,9.08) -28.376,9.894 cw(c-29.726,9.08) -28.366,9.878 ; -28.366,9.878 ccw(c-28.148,10.008) -28.356,9.863 ; -28.366,9.878 ccw(c-28.148,10.008) -28.357,9.863 ; -28.356,9.863 -28.343,9.837 ccw(c-28.118,9.955) -28.342,9.835 ; -28.342,9.835 cw(c-29.726,9.08) -28.262,9.666 ; -28.342,9.835 cw(c-29.726,9.08) -28.262,9.666 ; -28.262,9.666 ccw(c-28.058,9.87) -28.058,9.581 ; -28.262,9.666 ccw(c-28.058,9.87) -28.058,9.581 ; -28.058,9.581 -25.081,9.581 ; -25.081,9.581 cw(c-25.081,7.041) -23.285,8.837 ; -25.081,9.581 cw(c-25.081,7.041) -23.285,8.837 ; -23.285,8.837 -22.995,8.547 ; -22.995,8.547 ccw(c-21.199,10.343) -21.199,7.803 ; -22.995,8.547 ccw(c-21.199,10.343) -21.199,7.803 ; -21.199,7.803 -17.334,7.803 ccw(c-17.334,10.343) -15.538,8.547 -14.669,9.416 ; -14.669,9.416 cw(c-12.873,7.62) -12.873,10.16 ; -14.669,9.416 cw(c-12.873,7.62) -12.873,10.16 ; -12.873,10.16 S229.1@-8.572,10.16 ; -9.043,-2.605 ccw(c-6.503,-2.605) -8.299,-4.401 ; -9.043,-2.605 ccw(c-6.503,-2.605) -8.299,-4.401 ; -9.043,-2.605 S229.1@-9.043,9.69 ; S229.1@-9.043,9.69 cw(c-8.573,9.69) S229.1@-8.573,10.16 ; S229.1@-9.043,9.69 cw(c-8.573,9.69) -8.577,10.16 cw(c-8.573,9.69) S229.1@-8.573,10.16 ; -8.299,-4.401 S243.2@-3.81,-8.89 ; S243.2@-3.81,-8.89 -3.81,-15.692 ccw(c-1.27,-15.692) -1.27,-18.232 2.641,-18.232 ; S257.1@2.641,-30.48 ccw(c2.641,-27.94) 5.181,-27.94 ; S257.1@2.641,-30.48 ccw(c2.641,-27.94) 5.181,-27.94 ; 2.641,-18.232 cw(c2.641,-20.772) 5.181,-20.772 ; 2.641,-18.232 cw(c2.641,-20.772) 5.181,-20.772 ; S229.1@2.913,7.993 ccw(c1.117,9.789) 3.657,9.789 ; S229.1@2.913,7.993 ccw(c1.117,9.789) 3.657,9.789 ; 4.177,33.459 ccw(c2.381,35.255) 4.921,35.255 ; 4.177,33.459 ccw(c2.381,35.255) 4.921,35.255 ; 5.181,-27.94 5.181,-20.772
col2: S202.1 S216.2 S230.2 S244.1 S258.2 U301.14 | length 126.3
  Component Side w0.254: U301.14@-40.312,10.865 -39.466,10.019 ; S230.2@-34.726,9.87 -35.216,9.38 -37.923,9.38 ; -39.466,10.019 ccw(c-37.923,11.562) -37.923,9.38 ; -39.466,10.019 ccw(c-37.923,11.562) -37.923,9.38
  Bottom Layer w0.254: S258.2@-27.622,-27.94 -27.622,-20.772 ; S244.1@-20.201,-9.97 -20.201,0.157 ; S244.1@-18.891,-11.43 -18.891,-15.761 cw(c-21.362,-15.761) -21.362,-18.232 -25.082,-18.232 ; S202.1@-14.129,45.72 -27.464,45.72 ccw(c-27.464,43.18) -30.004,43.18 -30.004,13.391 cw(c-32.544,13.391) -32.544,10.851 S230.2@-34.075,10.851 ; S230.2@-34.766,10.16 cw(c-34.075,10.16) S230.2@-34.075,10.851 ; S230.2@-34.766,10.16 cw(c-34.075,10.16) S230.2@-34.075,10.851 ; S230.2@-34.766,10.16 -34.766,6.377 cw(c-35.02,6.376) -34.79,6.269 ccw(c-32.226,5.08) -31.564,2.333 -22.378,2.333 ; -27.622,-20.772 cw(c-25.082,-20.772) -25.082,-18.232 ; -27.622,-20.772 cw(c-25.082,-20.772) -25.082,-18.232 ; -22.378,2.333 cw(c-22.378,0.157) -20.201,0.157 ; -22.378,2.333 cw(c-22.378,0.157) -20.201,0.157
col3: S203.2 S217.2 S231.2 S245.2 S260.2 U301.13 | length 146.6
  Component Side w0.254: S231.2@-47.466,7.62 S231.2@-47.25,7.62 ; U301.13@-40.666,10.512 U301.13@-40.412,10.259 ; S231.2@-47.25,7.62 cw(c-47.25,5.08) -45.454,6.876 ; S231.2@-47.25,7.62 cw(c-47.25,5.08) -45.454,6.876 ; -45.454,6.876 -45.365,6.787 ; -45.365,6.787 ccw(c-44.445,7.707) -44.614,6.417 ; -45.365,6.787 ccw(c-44.445,7.707) -44.614,6.417 ; -44.614,6.417 ccw(c-44.445,7.707) -44.445,6.406 -41.809,6.406 ccw(c-41.809,8.311) -39.904,8.311 -39.904,9.03 ; U301.13@-40.412,10.259 cw(c-41.641,9.03) U301.13@-40.411,10.257 ; U301.13@-40.412,10.259 cw(c-41.641,9.03) U301.13@-40.411,10.257 ; U301.13@-40.411,10.257 cw(c-41.641,9.03) -39.904,9.03 ; U301.13@-40.411,10.257 cw(c-41.641,9.03) -39.904,9.03
  Bottom Layer w0.254: S260.2@-51.434,-27.94 -51.434,-25.979 ; -50.087,7.644 ccw(c-51.276,5.08) -52.465,7.644 ; -49.981,7.62 S231.2@-47.466,7.62 -47.466,-0.703 ; S217.2@-44.014,28.13 -44.014,43.18 cw(c-41.474,43.18) -41.474,45.72 S203.2@-33.179,45.72 ; -42.704,28.13 S217.2@-42.704,26.67 -45.218,26.67 cw(c-45.218,26.924) -45.325,26.694 ccw(c-46.514,24.13) -47.703,26.694 cw(c-47.809,26.924) -47.809,26.67 -55.144,26.67 ccw(c-55.144,24.13) -57.684,24.13 -57.684,10.16 ; S245.2@-39.251,-9.97 -46.722,-2.499 ; -37.941,-10.133 S245.2@-37.941,-11.43 -37.941,-20.899 cw(c-40.481,-20.899) -40.481,-23.439 -48.894,-23.439 ; -57.684,10.16 ccw(c-55.144,10.16) -55.144,7.62 ; -57.684,10.16 ccw(c-55.144,10.16) -55.144,7.62 ; -55.144,7.62 -52.572,7.62 ; -52.572,7.62 ccw(c-52.572,7.874) -52.465,7.644 ; -52.572,7.62 ccw(c-52.572,7.874) -52.465,7.644 ; -51.435,-25.979 cw(c-48.895,-25.979) -48.895,-23.439 ; -51.435,-25.979 cw(c-48.895,-25.979) -48.895,-23.439 ; -47.466,-0.703 ccw(c-44.926,-0.703) -46.722,-2.499 ; -47.466,-0.703 ccw(c-44.926,-0.703) -46.722,-2.499
col4: S204.2 S218.2 S232.2 S246.2 U301.12 | length 105.2
  Component Side w0.203: S232.2@-66.516,7.62 -66.516,9.642 cw(c-63.976,9.642) -66.361,10.517 ; v1(-51.842,10.343) ccw(c-52.455,10.343) -52.021,10.777 -52.46,11.215 -52.54,11.296 -52.683,11.438 ; U301.12@-42.752,10.512 -42.905,10.359 -42.905,10.296 v1(-42.571,9.962) ; -66.361,10.517 cw(c-63.976,9.642) -63.976,12.182 ; -66.361,10.517 cw(c-63.976,9.642) -63.976,12.182 ; -63.976,12.182 -54.479,12.182 ; -54.479,12.182 cw(c-54.479,9.642) -52.683,11.438 ; -54.479,12.182 cw(c-54.479,9.642) -52.683,11.438
  Bottom Layer w0.203: v1(-51.842,10.343) ccw(c-51.585,10.6) -51.585,10.237 -49.175,10.237 cw(c-49.171,9.08) -49.171,10.237 -46.737,10.237 ; v1(-42.571,9.962) -43.429,9.962 ; -46.737,10.237 cw(c-46.737,9.733) -46.381,10.089 ; -46.737,10.237 cw(c-46.737,9.733) -46.381,10.089 ; -46.381,10.089 -45.809,9.517 ; -45.809,9.517 ccw(c-45.043,10.283) -45.043,9.2 ; -45.809,9.517 ccw(c-45.043,10.283) -45.043,9.2 ; -45.043,9.2 ccw(c-45.043,9.957) -44.508,9.422 ; -45.043,9.2 ccw(c-45.043,9.957) -44.508,9.422 ; -44.508,9.422 -44.349,9.581 cw(c-43.429,8.661) -43.46,9.962 ; -43.46,9.962 cw(c-43.429,8.661) -43.429,9.962 ; -43.46,9.962 cw(c-43.429,8.661) -43.429,9.962
  Bottom Layer w0.254: S232.2@-67.826,9.08 -67.826,16.293 ; S232.2@-66.516,7.62 -66.516,-0.703 ; S218.2@-63.064,28.13 -52.973,38.221 ccw(c-54.769,40.017) -52.229,40.017 S204.2@-52.229,45.72 ; S218.2@-61.754,26.67 -61.754,24.47 ; S246.2@-58.301,-9.97 -65.772,-2.499 ; -67.826,16.293 cw(c-65.286,16.293) -67.082,18.089 ; -67.826,16.293 cw(c-65.286,16.293) -67.082,18.089 ; -67.082,18.089 -62.498,22.674 ; -66.516,-0.703 ccw(c-63.976,-0.703) -65.772,-2.499 ; -66.516,-0.703 ccw(c-63.976,-0.703) -65.772,-2.499 ; -62.498,22.674 ccw(c-64.294,24.47) -61.754,24.47 ; -62.498,22.674 ccw(c-64.294,24.47) -61.754,24.47
col5: S205.2 S219.2 S233.2 S247.2 U301.6 | length 125.1
  Component Side w0.203: S233.2@-85.566,7.62 -85.566,10.025 cw(c-83.026,10.025) -85.461,10.75 ; U301.6@-44.873,12.633 -46.417,11.089 ; -85.461,10.75 cw(c-83.026,10.025) -83.026,12.565 ; -85.461,10.75 cw(c-83.026,10.025) -83.026,12.565 ; -83.026,12.565 -54.32,12.565 ; -54.32,12.565 cw(c-54.32,10.025) -52.524,11.821 ; -54.32,12.565 cw(c-54.32,10.025) -52.524,11.821 ; -52.524,11.821 -52.19,11.487 ; -52.19,11.487 ccw(c-49.435,14.24) -52.184,11.481 ; -52.19,11.487 ccw(c-49.435,14.24) -52.184,11.481 ; -52.184,11.481 ccw(c-49.435,14.24) -49.435,10.345 ; -52.184,11.481 ccw(c-49.435,14.24) -49.435,10.345 ; -49.435,10.345 -48.213,10.345 ; -48.213,10.345 ccw(c-48.213,12.885) -46.417,11.089 ; -48.213,10.345 ccw(c-48.213,12.885) -46.417,11.089
  Bottom Layer w0.254: S233.2@-86.876,9.08 -86.876,16.42 ; S233.2@-85.566,7.62 -85.566,-0.703 ; S219.2@-82.114,28.13 -72.023,38.221 ccw(c-73.819,40.017) -71.279,40.017 S205.2@-71.279,45.72 ; S219.2@-80.804,26.67 -80.804,24.597 ; S247.2@-77.351,-9.97 -84.822,-2.499 ; -86.876,16.42 cw(c-84.336,16.42) -86.132,18.216 ; -86.876,16.42 cw(c-84.336,16.42) -86.132,18.216 ; -86.132,18.216 -81.548,22.801 ; -85.566,-0.703 ccw(c-83.026,-0.703) -84.822,-2.499 ; -85.566,-0.703 ccw(c-83.026,-0.703) -84.822,-2.499 ; -81.548,22.801 ccw(c-83.344,24.597) -80.804,24.597 ; -81.548,22.801 ccw(c-83.344,24.597) -80.804,24.597
col6: S206.2 S220.2 S234.2 S248.2 U301.5 | length 158.3
  Component Side w0.203: S234.2@-104.616,7.62 -104.616,10.408 ; U301.5@-45.227,12.987 -46.741,11.472 ; -104.616,10.408 cw(c-102.076,10.408) -104.076,11.974 ; -104.616,10.408 cw(c-102.076,10.408) -104.076,11.974 ; -104.076,11.974 ccw(c-101.241,10.143) -104.616,10.143 cw(c-101.241,10.143) -104.616,10.153 cw(c-101.241,10.143) -104.076,11.974 ; -104.076,11.974 cw(c-102.076,10.408) -102.076,12.948 ; -104.076,11.974 cw(c-102.076,10.408) -102.076,12.948 ; -102.076,12.948 -54.161,12.948 ; -54.161,12.948 cw(c-54.161,10.408) -52.365,12.204 ; -54.161,12.948 cw(c-54.161,10.408) -52.365,12.204 ; -52.365,12.204 -51.998,11.837 -51.919,11.758 ccw(c-49.435,14.24) -51.914,11.753 ; -51.914,11.753 ccw(c-49.435,14.24) -49.435,10.728 ; -51.914,11.753 ccw(c-49.435,14.24) -49.435,10.728 ; -49.435,10.728 -48.537,10.728 ; -48.537,10.728 ccw(c-48.537,13.268) -46.741,11.472 ; -48.537,10.728 ccw(c-48.537,13.268) -46.741,11.472
  Bottom Layer w0.254: S220.2@-106.204,28.92 S234.2@-106.204,10.26 ; S220.2@-106.164,28.92 -106.164,43.18 cw(c-103.624,43.18) -103.624,45.72 S206.2@-90.329,45.72 ; S248.2@-96.401,-9.97 -103.872,-2.499 ; S248.2@-95.368,-11.388 ccw(c-95.091,-10.483) S248.2@-95.091,-11.43 ; S234.2@-106.204,10.26 ccw(c-103.664,10.26) S234.2@-105.46,8.464 ; S234.2@-106.204,10.26 ccw(c-103.664,10.26) S234.2@-105.46,8.464 ; S234.2@-105.46,8.464 S234.2@-104.616,7.62 -104.616,-0.703 ; -104.616,-0.703 ccw(c-102.076,-0.703) -103.872,-2.499 ; -104.616,-0.703 ccw(c-102.076,-0.703) -103.872,-2.499